# Altium PCB UART.PcbDoc
Units mm, origin at the board's own origin, x right, y up, seen from the top; angles counter-clockwise.
Board outline 23.4 x 31.4 mm, 2 copper layers (Top Layer, Bottom Layer); 35 components, 22 nets, 108 pads, 49 vias.
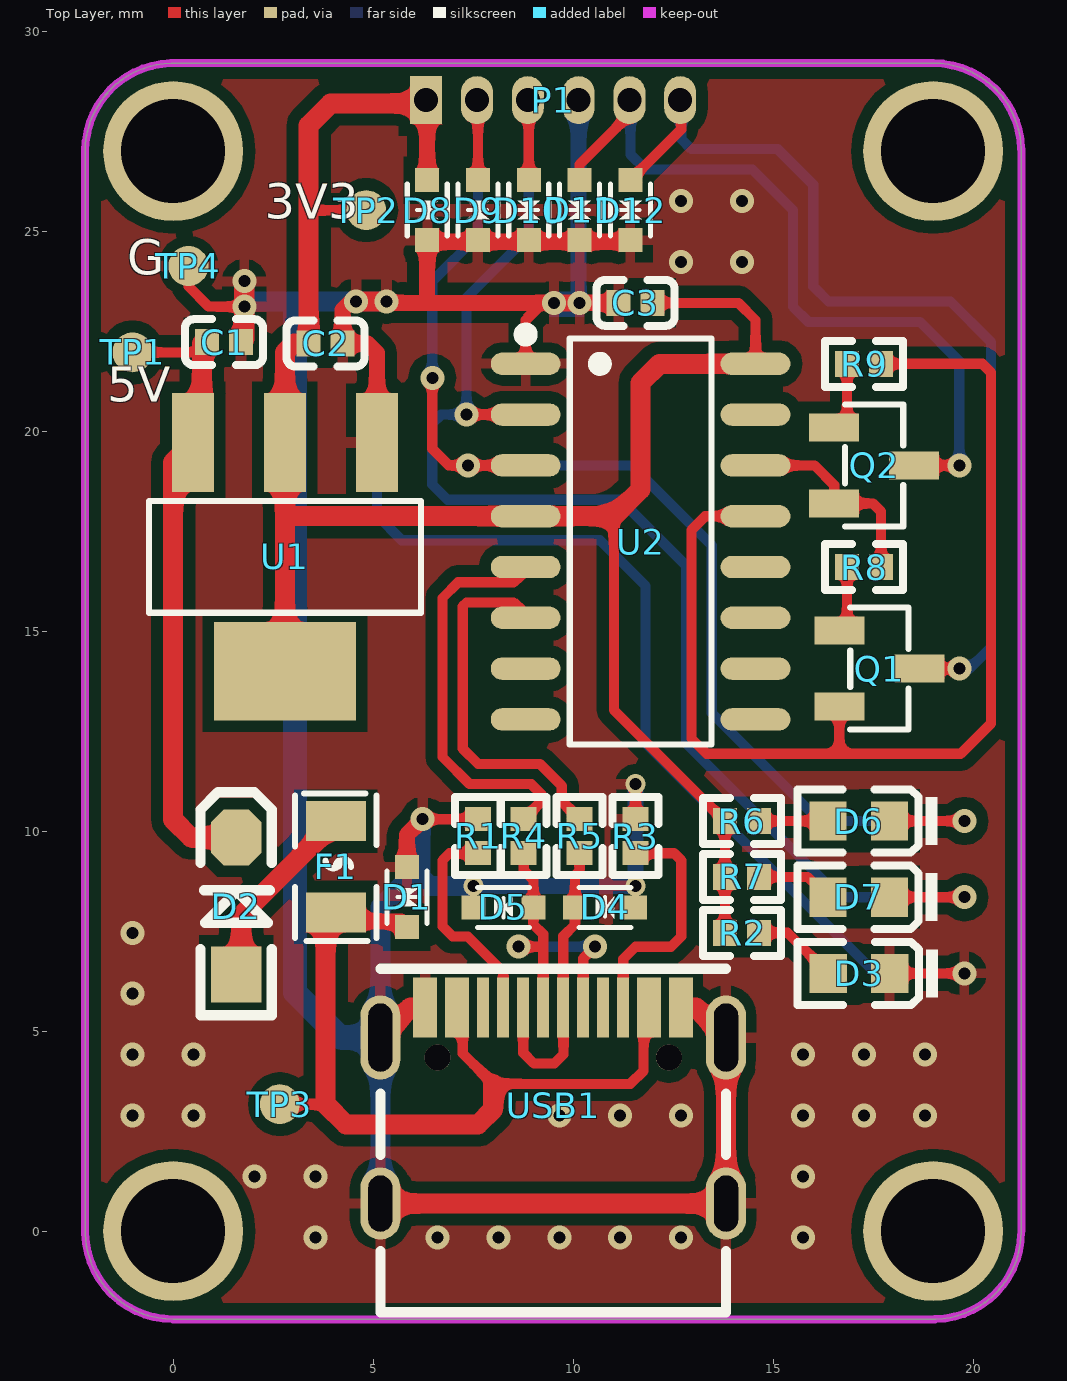
[diagram p0: Top Layer view]
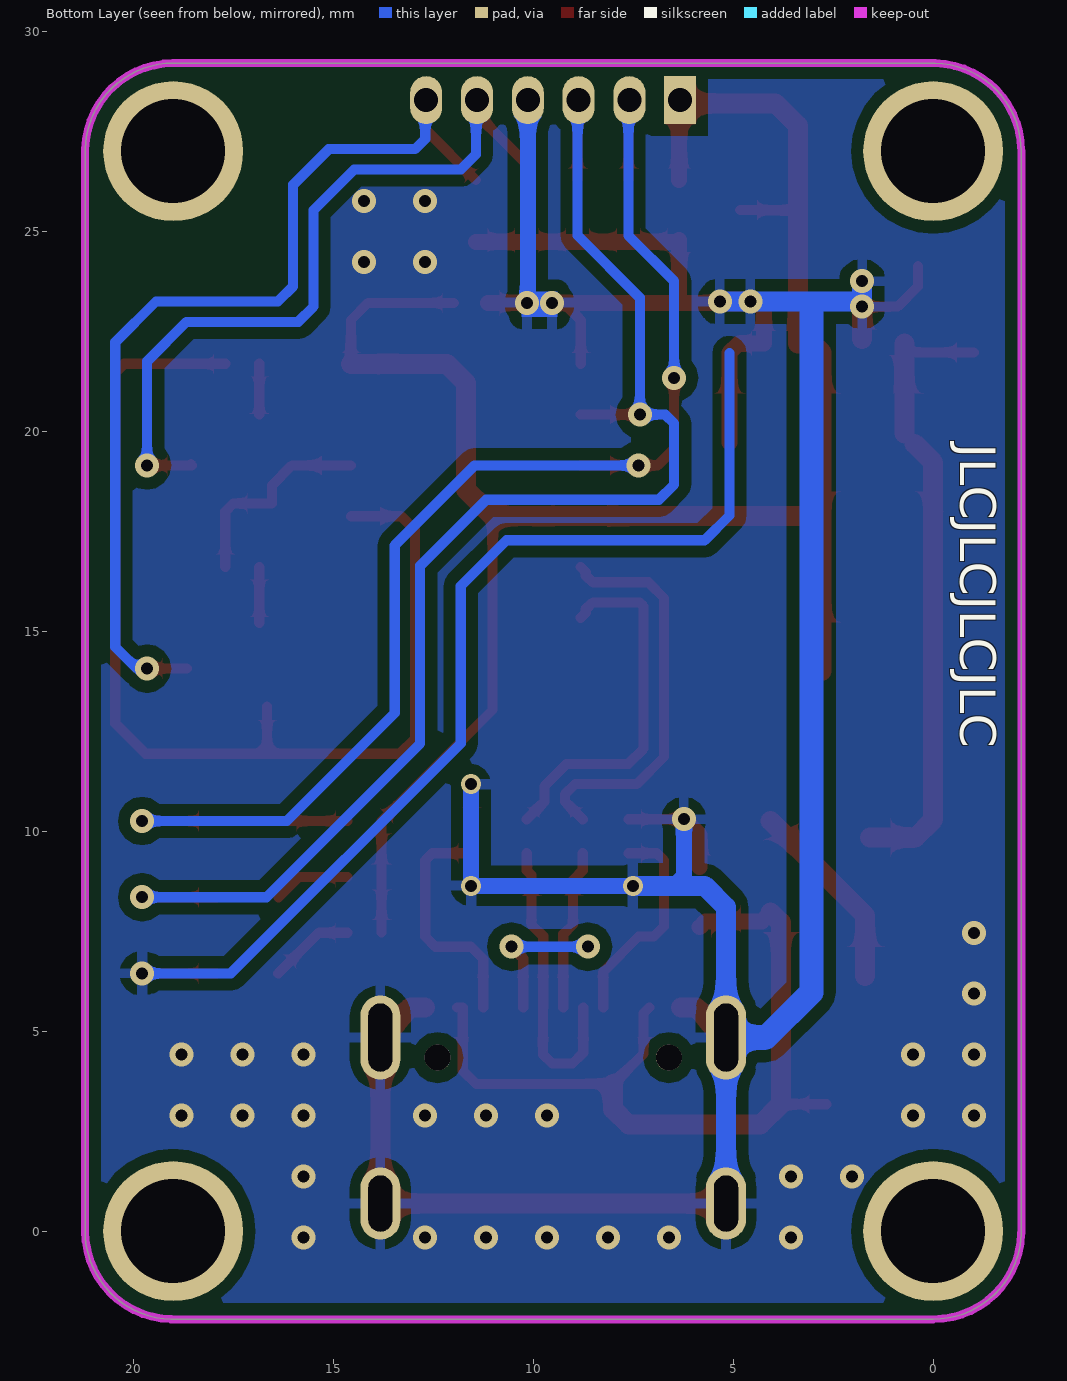
[diagram p1: Bottom Layer view, seen from below]
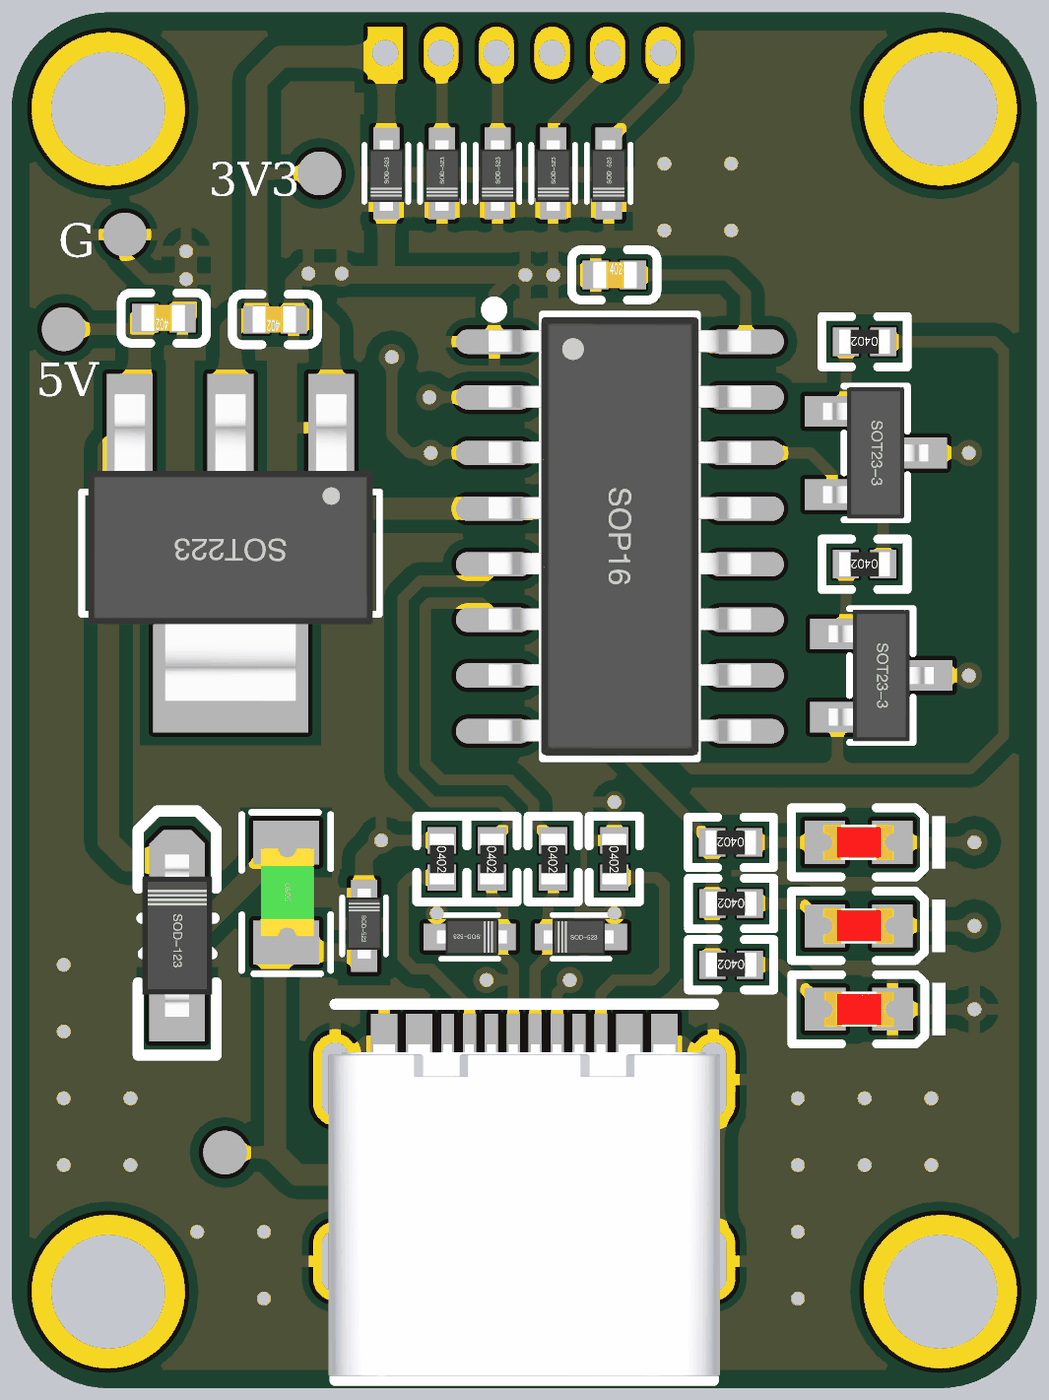
[diagram p2: 3D render of the assembled board from above, using the file's embedded part models]

## Layer stack, top to bottom
Top Solder: solder mask 0.0102, Solder Resist, Dk 3.5
Top Layer: signal copper 0.0356
Dielectric 1: dielectric 0.32, FR-4, Dk 4.8
Bottom Layer: signal copper 0.0356
Bottom Solder: solder mask 0.0102, Solder Resist, Dk 3.5

## Board outline
-2.201,-0.05 -2.201,27 cw(c0,27) -0.051,29.201 18.999,29.201 19,29.201 cw(c19,27) 21.201,27.051 21.201,27.05 21.201,0 cw(c19,0) 19.051,-2.201 19.05,-2.201 0,-2.201 cw(c0,0)

## Design rules (kind name [scope] priority, off if disabled: settings)
Clearance [All] p1: gap=0.15
DiffPairsRouting [All] p1: maxlimit=0.254 minlimit=0.254 mostfreqgap=0.254 toplayer_minwidth=0.254 toplayer_maxwidth=0.381 toplayer_prefwidth=0.381 bottomlayer_minwidth=0.254 bottomlayer_maxwidth=0.381 bottomlayer_prefwidth=0.381 maxuncoupledlength=12.7
PolygonConnect [All] p1: connectstyle=Relief reliefconductorwidth=0.254 reliefentries=4 polygonreliefangle="90 Angle" airgapwidth=0.254
RoutingVias [All] p1: holewidth=0.711 width=1.27 viastyle="Through Hole" minholewidth=0.711 minwidth=1.27 maxholewidth=0.711 maxwidth=1.27
SolderMaskExpansion [All] p1: expansion=0.102
UnpouredPolygon [All] p1: allowunpoured=FALSE
Width [All] p1: maxlimit=0.6 minlimit=0.254 preferedwidth=0.254
28 further rules are at their usual default settings.

## Classes and differential pairs
differential pair NewDifferentialPair2: +USB_DP -USB_DN
differential pair NewDifferentialPair1: +NetD5_2 -NetD4_2

## Components (designator, comment, footprint, x,y, rotation, side; value= is the part's Value field where it differs from the comment)
C1 "10uF (106) 20% 6.3V" 0402_C 1.27,22.225 r180 top
C2 "10uF (106) 20% 6.3V" 0402_C 3.81,22.193 r180 top
C3 "100nF (104) 10% 16V" 0402_C 11.557,23.209 r0 top
D1 "LESD5D5.0CT1G" SOD-523_L1.2-W0.8-LS1.6-BI 5.842,8.349 r90 top
D2 "1N5819W" SOD123 1.651,8.128 r90 top
D3 "红灯 0603" 0603_LED_S1 17.145,6.445 r180 top
D4 "LESD5D5.0CT1G" SOD-523_L1.2-W0.8-LS1.6-BI 10.795,8.096 r180 top
D5 "LESD5D5.0CT1G" SOD-523_L1.2-W0.8-LS1.6-BI 8.255,8.096 r0 top
D6 "蓝灯 0603" 0603_LED_S1 17.137,10.255 r180 top
D7 "红灯 0603" 0603_LED_S1 17.137,8.35 r180 top
D8 "ESD5Z3.3C" SOD-523_L1.2-W0.8-LS1.6-BI 6.35,25.527 r270 top
D9 "ESD5Z3.3C" SOD-523_L1.2-W0.8-LS1.6-BI 7.62,25.527 r270 top
D10 "ESD5Z3.3C" SOD-523_L1.2-W0.8-LS1.6-BI 8.89,25.527 r270 top
D11 "ESD5Z3.3C" SOD-523_L1.2-W0.8-LS1.6-BI 10.16,25.527 r270 top
D12 "ESD5Z3.3C" SOD-523_L1.2-W0.8-LS1.6-BI 11.43,25.527 r270 top
F1 "BSMD0805-110-6V" F0805 4.064,9.111 r270 top
P1 "HDR1.27-LI-6P" HDR1.27-LI-6P 9.5,28.277 r0 top
Q1 "SS8050" SOT-23-3_L2.9-W1.3-P1.90-LS2.4-BR 17.653,14.065 r180 top
Q2 "SS8050" SOT-23-3_L2.9-W1.3-P1.90-LS2.4-BR 17.526,19.145 r180 top
R1 "5.1KΩ (5101) ±1%" 0402_R 7.62,9.874 r270 top
R2 "1KΩ (1001) ±1%" 0402_R 14.224,7.461 r180 top
R3 "5.1KΩ (5101) ±1%" 0402_R 11.557,9.874 r270 top
R4 "100Ω (1000) ±1%" 0402_R 8.763,9.874 r270 top
R5 "100Ω (1000) ±1%" 0402_R 10.16,9.874 r270 top
R6 "1KΩ (1001) ±1%" 0402_R 14.216,10.255 r180 top
R7 "1KΩ (1001) ±1%" 0402_R 14.224,8.858 r180 top
R8 "10KΩ (1002) ±1%" 0402_R 17.272,16.605 r180 top
R9 "10KΩ (1002) ±1%" 0402_R 17.272,21.685 r180 top
TP1 "TP" TP_1X1MM -1.016,21.971 r90 top
TP2 "TP" TP_1X1MM 4.826,25.527 r90 top
TP3 "TP" TP_1X1MM 2.667,3.175 r90 top
TP4 "TP" TP_1X1MM 0.381,24.13 r180 top
U1 "AMS1117-3.3V" SOT-223_L6.5-W3.5-P2.30-LS7.0-BR 2.794,16.859 r90 top
U2 "CH340C" SOP-16_L10.0-W3.9-P1.27-LS6.0-BL 11.684,17.24 r270 top
USB1 "TYPE-C16PIN" TYPE-C16PIN 9.5,3.143 r0 top

## Footprints (in the part's own frame and the unit in brackets; to place one, negate y for a bottom-side part, rotate by r counter-clockwise, add the part's x,y. Pads: shape width x height; smd on the part's side, far side on the other; paste and mask are expansions set on the pad)
0402_C [mm]
  rect 0.6x0.65 smd mask+0.051: 1(-0.425,0) 2(0.425,0)
  silkscreen extent -0.97,-0.58 0.97,0.58, body extent -0.48,-0.3 0.52,0.3, height 0.2
0402_R [mm]
  rect 0.6x0.65 smd mask+0.051: 1(-0.425,0) 2(0.425,0)
  silkscreen extent -0.97,-0.58 0.97,0.58, body extent -0.57,-0.27 0.58,0.28, height 0.41
0603_LED_S1 [mm]
  rect 0.93x0.98 smd: A(0.77,0) K(-0.77,0)
  silkscreen extent -1.98,-0.79 1.54,0.79, body extent -0.8,-0.4 0.8,0.4, height 0.6
F0805 [mm]
  rect 1x1.5 smd: 1(-1.142,0) 2(1.142,0)
  silkscreen extent -1.83,-1.02 1.85,1.02, body extent -1,-0.58 1,0.64, height 0.52
HDR1.27-LI-6P [mm] "直插，脚距：1.27mm"
  rect 0.8x1.2 hole 0.6: 1(-3.175,0)
  oval 0.8x1.2 hole 0.6: 2(-1.905,0) 3(-0.635,0) 4(0.635,0) 5(1.905,0) 6(3.175,0)
SOD123 [mil]
  rect 55x50 smd: 1(-67.5,3)
  oct 55x50 smd: 2(67.5,3)
  silkscreen extent -108,-32 112,38, body extent -73,-28 73,34, height 48
SOD-523_L1.2-W0.8-LS1.6-BI [mm]
  rect 0.6x0.6 smd: 1(-0.75,0) 2(0.75,0)
  silkscreen extent -0.65,-0.5 0.65,0.5, body extent -0.75,-0.4 0.85,0.4, height 0.65
SOP-16_L10.0-W3.9-P1.27-LS6.0-BL [mm]
  oval 0.56x1.745 smd: 1(-4.445,-2.873) 2(-3.175,-2.873) 3(-1.905,-2.873) 4(-0.635,-2.873) 5(0.635,-2.873) 6(1.905,-2.873) 7(3.175,-2.873) 8(4.445,-2.873) 9(4.445,2.873) 10(3.175,2.873) 11(1.905,2.873) 12(0.635,2.873) 13(-0.635,2.873) 14(-1.905,2.873) 15(-3.175,2.873) 16(-4.445,2.873)
  silkscreen extent -5.33,-3.02 5.08,1.77, body extent -5.01,-3 4.99,3, height 1.9
SOT-23-3_L2.9-W1.3-P1.90-LS2.4-BR [mm]
  rect 1.25x0.7 smd: 1(1,-0.95) 2(1,0.95) 3(-1,0)
  silkscreen extent -0.73,-1.53 0.73,1.53, body extent -1.2,-1.5 1.2,1.5, height 1.05
SOT-223_L6.5-W3.5-P2.30-LS7.0-BR [mm]
  rect 2.465x1.05 smd: 1(2.857,-2.3) 2(2.857,0) 3(2.857,2.3)
  rect 2.465x3.54 smd: 4(-2.857,0)
  silkscreen extent -1.4,-3.4 1.4,3.4, body extent -3.38,-3.25 3.64,3.25, height 1.65
TP_1X1MM [mm]
  round 1 smd: 1(0,0)
TYPE-C16PIN [mm]
  oval 1x2.099 hole 0.6 slot 1.7 at 90 deg: 1(-4.32,1.699) 2(4.32,1.699)
  oval 1x1.799 hole 0.6 slot 1.4 at 90 deg: 3(-4.32,-2.451) 4(4.32,-2.451)
  rect 0.6x1.5 smd: A1B12(-3.2,2.451) A4B9(-2.4,2.451) B1A12(3.2,2.451) B4A9(2.4,2.451)
  rect 0.3x1.5 smd: A5(-1.25,2.451) A6(-0.25,2.451) A7(0.25,2.451) A8(-1.75,2.451) B5(1.75,2.451) B6(0.75,2.451) B7(-0.75,2.451) B8(1.25,2.451)
  round 0.65 hole 0.65 unplated: ""(-2.89,1.199) ""(2.89,1.199)
  silkscreen extent -4.32,-5.17 4.32,3.42, body extent -4.47,-5.08 4.47,2.5, height 3.25

## Part data
C1 C2: library part "0402 10uF (106) 20% 6.3V", "贴片电容"
C3: library part "0402 100nF (104) 10% 16V", "贴片电容"
D3 D7: library part "0603 红灯", "发光二极管"
D6: library part "0603 蓝灯", "发光二极管"
F1: library part JK
R1 R3: library part "0402 5.1KΩ (5101) 1%", "贴片电阻"
R2 R6 R7: library part "0402 1KΩ (1001) 1%", "贴片电阻"
R4 R5: library part "0402 100Ω (1000) 1%", "贴片电阻"
R8 R9: library part "0402 10KΩ (1002) 1%", "贴片电阻"

## Free pads (board coordinates)
  round 3.5 hole 2.6: 0(19,27) 1(19,0) 2(0,0) 3(0,27)

## Via types
v1: diameter 0.6, hole 0.3, Top Layer to Bottom Layer, tented both sides, 46 vias
v2: diameter 0.5, hole 0.3, Top Layer to Bottom Layer, tented both sides, 3 vias

## Nets (pads, with @x,y where several pads share a name; then routed paths per layer and width w, separated by ;. In a path a pad name is that pad's centre, name@x,y a point inside that pad or via, vN(x,y) a via of type N, cw(c..) or ccw(c..) an arc to the next point about the centre after c; other vN are vias at no path point)
EN: D11.1 P1.5 Q2.3 | length 18.6
  Top Layer w0.254: D11.1 10.16,26.67 P1.5@11.303,27.813 ; Q2.3@18.558,19.177 Q2.3 v1(19.653,19.145)
  Bottom Layer w0.254: P1.5@11.43,27.94 11.43,26.924 11.811,26.543 14.478,26.543 15.494,25.527 15.494,23.114 15.875,22.733 18.669,22.733 19.653,21.749 v1(19.653,19.145)
GND: C1.1 C2.1 C3.1 D1.2 D3.K D4.1 D5.1 D8.2 D9.2 D10.2 D11.2 D12.2 P1.4 R1.1 R3.1 TP4.1 U1.1 U2.1 USB1.1 USB1.2 USB1.3 USB1.4 USB1.A1B12 USB1.B1A12 | length 114.7
  Top Layer w0.254: TP4.1 0.381,23.622 0.889,23.114 v1(1.778,23.114) ; v1(6.235,10.299) R1.1 ; U2.1 8.811,22.781 v1@9.239,23.209 ; R3.1 v2(11.557,11.176) ; D3.K v1(19.78,6.445)
  Top Layer w0.4: U1.1 5.094,21.957 4.858,22.193 C2.1 4.235,23.031 4.413,23.209 9.239,23.209 v1(9.525,23.209) v1(10.16,23.209) C3.1 ; D1.2 5.842,9.906 v1(6.235,10.299) ; 6.35,23.336 D8.2@6.35,24.733 ; D8.2 D8.2@6.35,24.733 ; D12.2@11.43,24.733 D8.2@6.35,24.733
  Top Layer w0.5: C1.1@1.778,22.308 v1(1.778,23.114) ; USB1.3 USB1.4 USB1.2 13.067,5.594 USB1.B1A12 ; USB1.1 5.933,5.594 USB1.A1B12
  Bottom Layer w0.254: 5.094,21.957 5.094,17.893 5.715,17.272 10.668,17.272 11.811,16.129 11.811,12.192 17.558,6.445 v1(19.78,6.445)
  Bottom Layer w0.4: v1(6.235,10.299) 6.235,8.878 6.477,8.636 ; v2(7.505,8.636) v2(11.557,8.636) v2(11.557,11.176) ; v1@10.135,23.234 P1.4
  Bottom Layer w0.5: v1@1.905,23.241 v1(4.572,23.241) ; USB1.3 USB1.1 5.18,8.101 5.715,8.636 6.477,8.636 v2(7.505,8.636)
  Bottom Layer w0.6: 3.048,22.987 3.048,5.969 4.175,4.842 USB1.1
  other v1: 3.556,-0.159 6.604,-0.159 8.128,-0.159 9.652,-0.159 11.176,-0.159 12.7,-0.159 15.748,-0.159 2.032,1.365 3.556,1.365 15.748,1.365 -1.016,2.889 0.508,2.889 9.652,2.889 11.176,2.889 12.7,2.889 15.748,2.889 17.272,2.889 18.796,2.889 -1.016,4.413 0.508,4.413 15.748,4.413 17.272,4.413 18.796,4.413 -1.016,5.937 -1.016,7.461 5.334,23.241 1.778,23.749 12.7,24.225 14.224,24.225 12.7,25.749 14.224,25.749
IO0: D12.1 P1.6 Q1.3 | length 23.8
  Top Layer w0.254: D12.1 12.7,27.547 P1.6@12.7,27.94 ; Q1.3 v1(19.653,14.065)
  Bottom Layer w0.254: P1.6@12.7,27.889 12.7,27.305 12.954,27.051 15.113,27.051 16.002,26.162 16.002,23.622 16.383,23.241 19.431,23.241 20.447,22.225 20.447,14.605 19.907,14.065 v1(19.653,14.065)
NetD2_1: D2.1 F1.1 | length 4.9
  Top Layer w0.5: D2.1@1.702,6.382 1.702,7.892 F1.1
NetD3_A: D3.A R2.1 | length 2.1
  Top Layer w0.254: R2.1 15.359,7.461 D3.A
NetD4_2: D4.2 R5.2 USB1.A7 USB1.B7 | length 7.5
  Top Layer w0.254: USB1.B7 8.75,4.458 9.017,4.191 9.525,4.191 9.758,4.424 USB1.A7@9.758,5.594 ; USB1.A7 9.75,7.374 10.045,7.669 D4.2 10.045,8.907 10.16,9.022 R5.2
NetD5_2: D5.2 R4.2 USB1.A6 USB1.B6 | length 8.1
  Top Layer w0.254: v1(8.636,7.112) 9.115,7.112 ; R4.2 8.763,9.022 9.005,8.78 D5.2 9.005,7.669 9.25,7.424 USB1.A6 ; USB1.B6 10.25,6.821 v1(10.541,7.112)
  Bottom Layer w0.254: v1(8.636,7.112) v1(10.541,7.112)
NetD6_A: D6.A R6.1 | length 1.7
  Top Layer w0.254: R6.1 D6.A
NetD7_A: D7.A R7.1 | length 1.9
  Top Layer w0.254: R7.1 15.859,8.858 D7.A
NetQ1_1: Q1.1 R8.2 | length 1.4
  Top Layer w0.254: Q1.1@16.847,15.209 R8.2
NetQ1_2: Q1.2 R9.1 U2.13 | length 27.7
  Top Layer w0.254: U2.13 13.303,17.875 12.954,17.526 12.954,12.319 13.335,11.938 19.685,11.938 20.447,12.7 20.447,21.463 20.225,21.685 R9.1 ; 16.653,11.938 Q1.2
NetQ2_1: Q2.1 R9.2 | length 1.3
  Top Layer w0.254: Q2.1@16.847,20.416 R9.2
NetQ2_2: Q2.2 R8.1 U2.14 | length 5.3
  Top Layer w0.254: U2.14 16.034,19.145 16.526,18.653 Q2.2 17.492,18.195 17.697,17.99 R8.1
NetR1_2: R1.2 USB1.A5 | length 5.5
  Top Layer w0.254: R1.2 6.909,9.449 6.731,9.271 6.731,7.62 6.985,7.366 7.366,7.366 8.25,6.482 USB1.A5
NetR3_2: R3.2 USB1.B5 | length 6
  Top Layer w0.254: USB1.B5 11.25,6.805 11.557,7.112 12.446,7.112 12.7,7.366 12.7,9.271 12.522,9.449 R3.2
RXD: D7.K D10.1 P1.3 U2.2 | length 35.7
  Top Layer w0.254: v1(7.334,20.415) U2.2 ; D10.1 P1.3@8.89,27.94 ; D7.K v1(19.78,8.35)
  Bottom Layer w0.254: P1.3@8.89,27.813 8.89,24.892 7.334,23.336 v1(7.334,20.415) 6.699,20.415 6.477,20.193 6.477,18.669 6.858,18.288 11.176,18.288 12.827,16.637 12.827,12.192 16.669,8.35 v1(19.78,8.35)
TXD: D6.K D9.1 P1.2 U2.3 | length 33.3
  Top Layer w0.254: v1(6.477,21.336) 6.477,19.558 6.89,19.145 v1(7.366,19.145) U2.3 ; D9.1 P1.2@7.62,27.94 ; D6.K v1(19.78,10.255)
  Bottom Layer w0.254: v1(6.477,21.336) 6.477,23.749 7.62,24.892 P1.2@7.62,27.813 ; v1(7.366,19.145) 11.462,19.145 13.462,17.145 13.462,12.954 16.161,10.255 v1(19.78,10.255)
USB_DN: R5.1 U2.6 | length 9.3
  Top Layer w0.254: U2.6 8.684,15.462 8.684,15.541 8.509,15.716 7.334,15.716 7.239,15.621 7.239,12.065 7.62,11.684 9.164,11.684 9.716,11.132 9.716,10.743 R5.1
USB_DP: R4.1 U2.5 | length 10.1
  Top Layer w0.254: R4.1 9.208,10.743 9.208,10.922 8.954,11.176 7.41,11.176 6.731,11.855 6.731,15.831 7.124,16.224 8.509,16.224 8.684,16.399 8.684,16.478 U2.5
VCC_3V3: C2.2 C3.2 D8.1 P1.1 R2.2 R6.2 R7.2 TP2.1 U1.2 U1.4 U2.4 U2.16 | length 50.4
  Top Layer w0.254: 3.385,25.527 TP2.1 ; 11.017,17.875 11.017,13.029 R6.2 R2.2@13.791,7.469 ; C3.2 14.129,23.209 14.557,22.781 U2.16
  Top Layer w0.4: D8.1 P1.1@6.35,27.686
  Top Layer w0.5: U1.4 U1.2 2.794,21.971 3.016,22.193 C2.2 3.385,25.527 3.385,27.642 3.937,28.194 P1.1@6.35,28.194 ; 2.826,17.875 U2.4 11.017,17.875 11.684,18.542 11.684,21.209 12.16,21.685 U2.16
VCC_5V: C1.2 D2.2 TP1.1 U1.3 | length 15.3
  Top Layer w0.254: TP1.1 C1.2@0.65,21.971
  Top Layer w0.5: U1.3@0.463,19.685 0,19.222 0,10.287 0.445,9.842 D2.2 ; U1.3@0.718,19.94 C1.2@0.718,22.193
VUSB: D1.1 F1.2 TP3.1 USB1.A4B9 USB1.B4A9 | length 21.1
  Top Layer w0.254: TP3.1 3.81,3.175 ; USB1.A4B9 7.24,5.455 7.24,4.444 8.001,3.683 11.43,3.683 11.76,4.013 11.76,5.594 USB1.B4A9
  Top Layer w0.4: F1.2 4.286,7.747 5.694,7.747 D1.1
  Top Layer w0.5: F1.2 3.81,7.715 3.81,3.175 4.318,2.667 7.62,2.667 8.001,3.048 8.001,3.683
pads on no net: U2.7 U2.8 U2.9 U2.10 U2.11 U2.12 U2.15 USB1. USB1.A8 USB1.B8

## Polygon pours and split planes (outlines as drawn)
GND on Top Layer "Top Layer-No Net" (solid, remove dead copper, pour order 2): -3.429,29.718 -3.429,-2.921 21.717,-2.921 21.844,-2.794 21.971,-2.667 21.971,29.337 -3.048,29.337 -3.429,29.718
GND on Bottom Layer "Top Layer-No Net" (solid, remove dead copper, pour order 4): -2.667,29.337 -2.54,29.21 -2.54,-2.794 21.463,-2.794 21.59,-2.667 21.717,-2.54 21.717,29.337 -2.54,29.337

## Keep-outs
Keep-Out Layer:
  lines w0.2: -2.201,-0.051 ccw(c0,0) 0,-2.201 19.05,-2.201 ; -2.201,-0.05 -2.201,27 cw(c0,27) -0.051,29.201 18.999,29.201 ; 19,29.201 cw(c19,27) 21.201,27.051 ; 19.051,-2.201 ccw(c19,0) 21.201,0 21.201,27.05

## Other copper
Top Layer:
  rectangle net GND: 1.524,22.987 2.032,23.749
  rectangle net GND: 4.413,22.987 5.207,23.495
  rectangle net GND: 9.398,22.987 10.16,23.368
Bottom Layer:
  rectangle net GND: 1.524,22.987 2.032,23.876
  rectangle net GND: 4.572,22.987 5.461,23.495
  rectangle net GND: 9.398,22.86 10.287,23.495

## Silkscreen, mask and mechanical layers (free items; w line width, h text height)
Top Overlay:
  text "3V3" at 2.286,25.019 h1.5
  text "G" at -1.143,23.622 h1.5
  text "5V" at -1.651,20.447 h1.5
Bottom Overlay:
  text "JLCJLCJLCJLC" at -0.381,19.685 h1.52 r90
Mechanical 1:
  lines w0.2: -2.201,-0.136 ccw(c0,-0.085) 0,-2.286 19.05,-2.286 ; -2.201,-0.135 -2.201,26.915 cw(c0,26.915) -0.051,29.116 18.999,29.116 ; 19,29.116 cw(c19,26.915) 21.201,26.966 ; 19.051,-2.285 ccw(c19,-0.085) 21.201,-0.085 21.201,26.966